# Altium PCB Scratch.PcbDoc
Units mil, origin at the board's own origin, x right, y up, seen from the top; angles counter-clockwise.
Board outline 5200 x 2700 mil, 2 copper layers (Top Layer, Bottom Layer), stack 61.756 mil thick; 63 components, 84 nets, 501 pads, 205 vias.
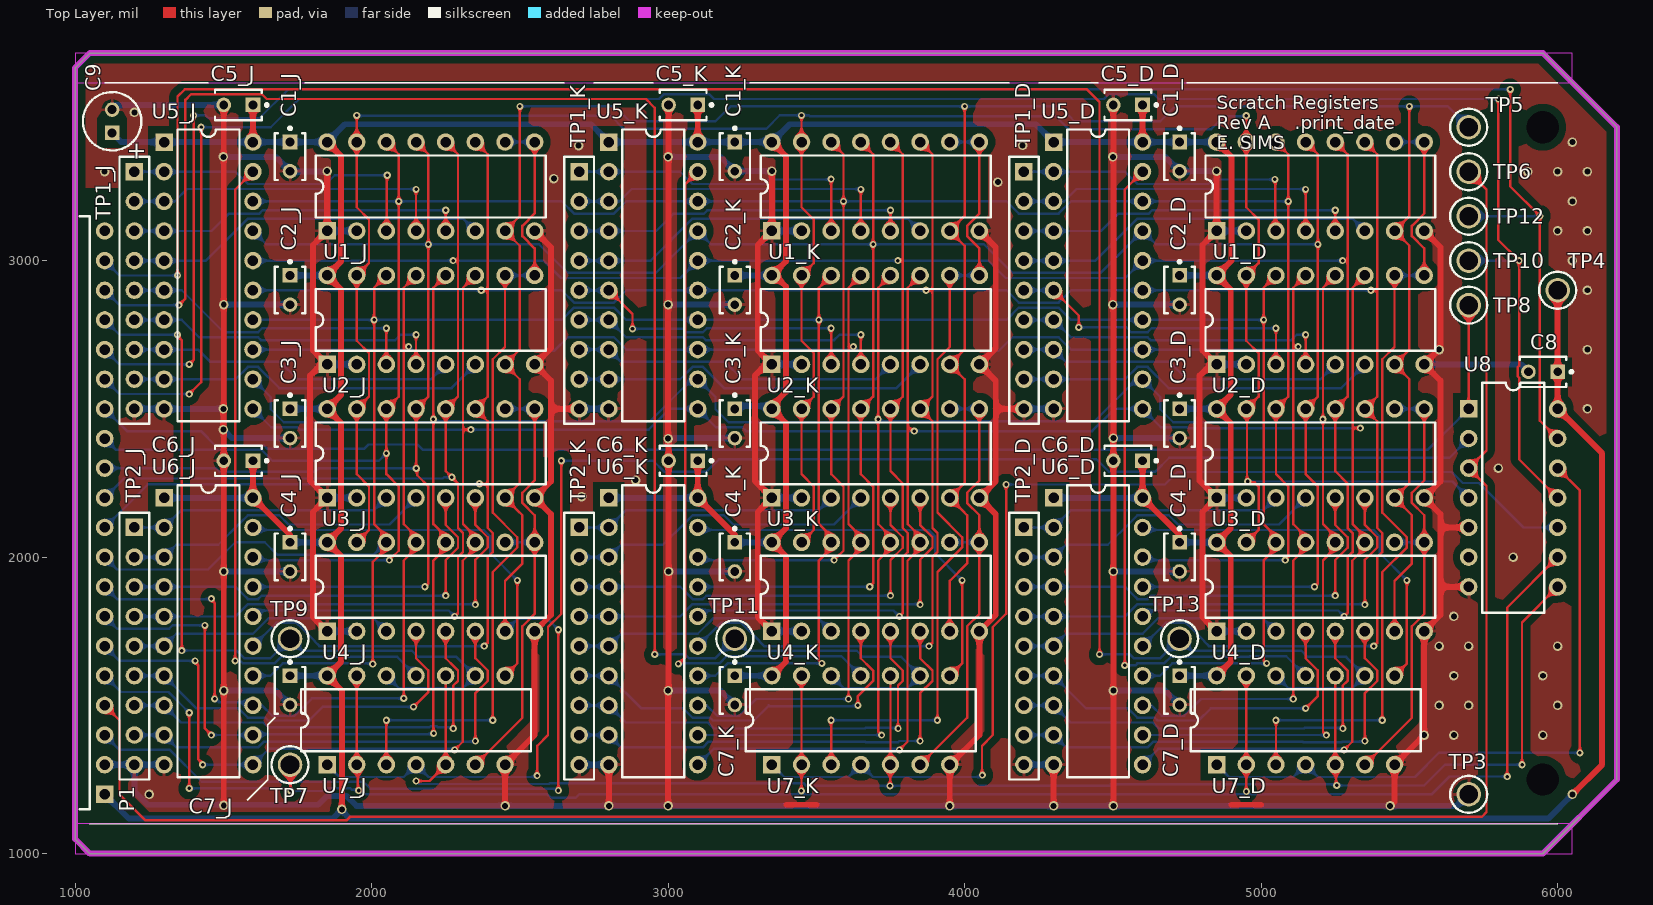
[diagram p0: Top Layer view]
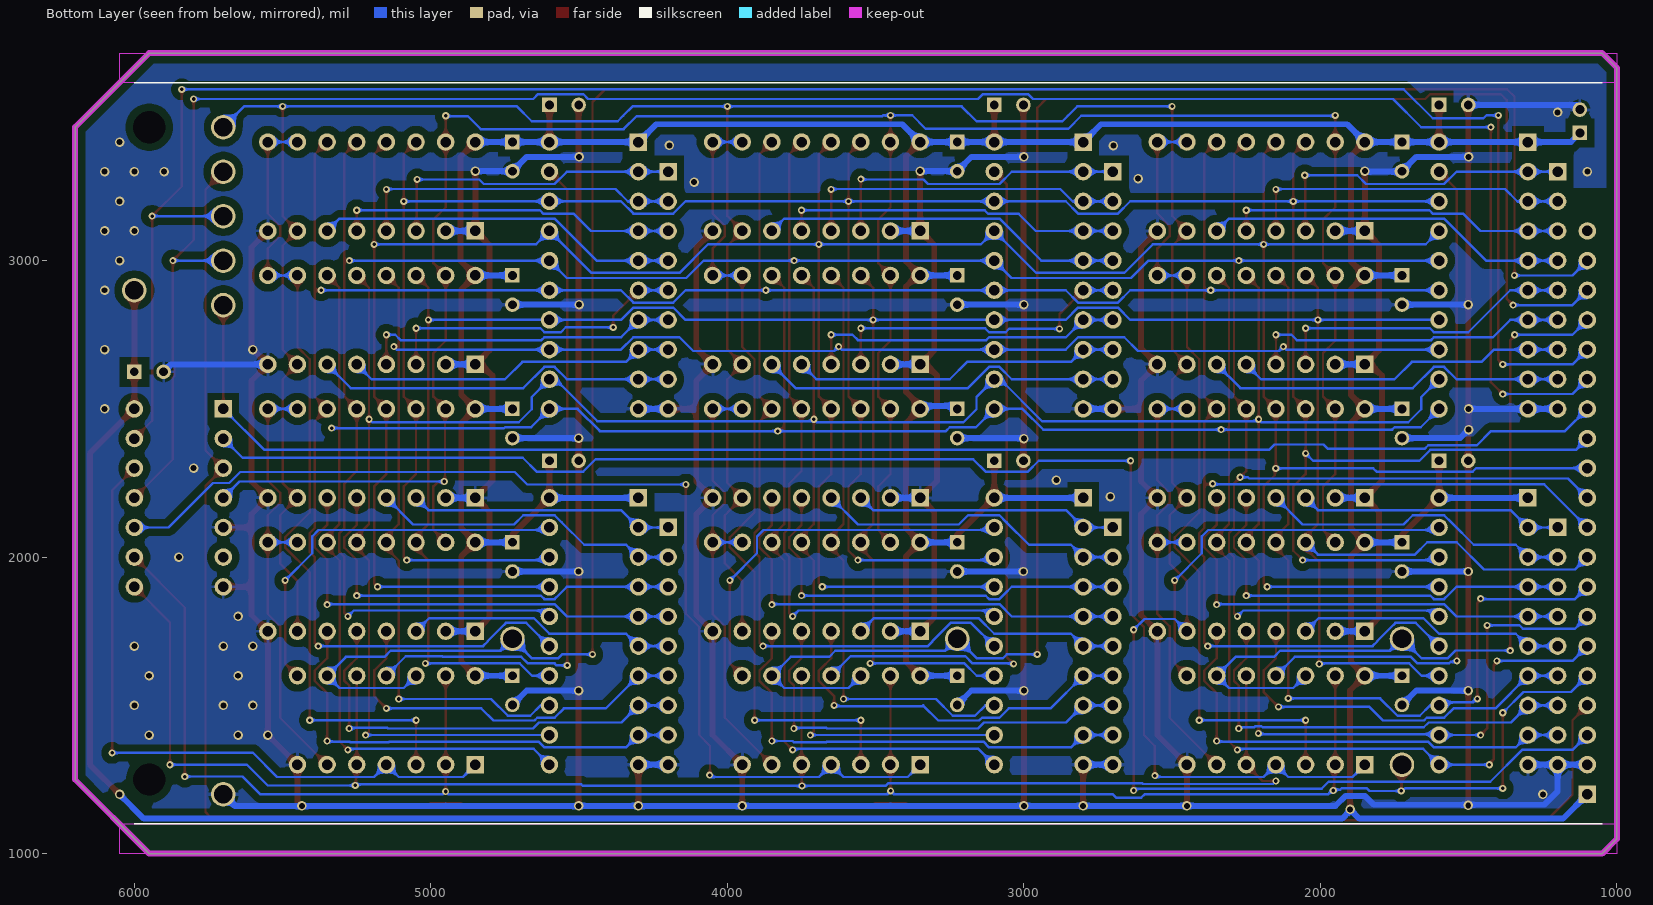
[diagram p1: Bottom Layer view, seen from below]

## Layer stack, top to bottom
Top Solder: solder mask 1, SM-001, Dk 4
Top Layer: signal copper 1.378
Dielectric 1: core 59, Core-043, Dk 4.3
Bottom Layer: signal copper 1.378
Bottom Solder: solder mask 1, SM-001, Dk 4

## Board outline
1000,1050 1050,1000 5950,1000 6200,1250 6200,3450 5950,3700 1050,3700 1000,3650

## Design rules (kind name [scope] priority, off if disabled: settings)
BoardOutlineClearance [not IsKeepOut] p1: gap=10 ignorepadtopadclearanceinfootprint=FALSE except(0: Arc-SplitContinuation Track-SplitContinuation SMDPad-SplitContinuation THPad-SplitContinuation Via-SplitContinuation Fill-SplitContinuation Poly-SplitContinuation Region-SplitContinuation Text-SplitContinuation)
Clearance Clearance_poly [InPoly] p1: gap=25 ignorepadtopadclearanceinfootprint=FALSE
Clearance [All] p2: gap=8 ignorepadtopadclearanceinfootprint=FALSE
HoleSize [All] p1: absolutevalues=TRUE maxlimit=120 minlimit=12 maxpercent=80.000 minpercent=20.000
PolygonConnect [All] p1: thpad.connectstyle=Relief thpad.reliefconductorwidth=10 thpad.reliefentries=4 thpad.polygonreliefangle="90 Angle" thpad.airgapwidth=10 smdpad.connectstyle=Relief smdpad.reliefconductorwidth=10 smdpad.reliefentries=4 smdpad.polygonreliefangle="90 Angle" smdpad.airgapwidth=10 via.connectstyle=Direct via.reliefconductorwidth=10 via.reliefentries=4 via.polygonreliefangle="90 Angle" via.airgapwidth=10
RoutingTopology [All] p1: topology=Daisy_Simple
RoutingVias "Schematic Routing Via Style" [InNetClass('PWR')] p1: holewidth=20 width=35 viastyle="Through Hole" minholewidth=20 minwidth=35 maxholewidth=20 maxwidth=50
RoutingVias [All] p2: holewidth=10 width=20 viastyle="Through Hole" minholewidth=10 minwidth=20 maxholewidth=10 maxwidth=20
SilkToSilkClearance [All] p1: silktosilkclearance=5
SilkToSolderMaskClearance [IsPad] p1: minsilkscreentomaskgap=8 clearancetoexposedcopper=TRUE
SolderMaskExpansion [All] p1: expansion=4 istentingtop=FALSE
UnRoutedNet [All] p1: checkbadconnections=TRUE
Width "Schematic Width Constraint" [InNetClass('PWR')] p1: maxlimit=50 minlimit=20 preferedwidth=20
Width [All] p2: maxlimit=8 minlimit=8 preferedwidth=8
25 further rules are at their usual default settings.

## Classes and differential pairs
net class PWR: GND VCC
net class BUS[0..7]: BUS0 BUS1 BUS2 BUS3 BUS4 BUS5 BUS6 BUS7
channel class Scratch_Register_16B: D J K
component class K: C1_K C2_K C3_K C4_K C5_K C6_K C7_K TP1_K TP2_K U1_K U2_K U3_K U4_K U5_K U6_K U7_K
component class D: C1_D C2_D C3_D C4_D C5_D C6_D C7_D TP1_D TP2_D U1_D U2_D U3_D U4_D U5_D U6_D U7_D
component class J: C1_J C2_J C3_J C4_J C5_J C6_J C7_J TP1_J TP2_J U1_J U2_J U3_J U4_J U5_J U6_J U7_J
component class Top: C8 C9 g P1 TP3 TP4 TP5 TP6 TP7 TP8 TP9 TP10 TP11 TP12 TP13 U8

## Components (designator, comment, footprint, x,y, rotation, side; value= is the part's Value field where it differs from the comment)
C1_D "K104K15X7RF5TL2" VISH-K104K15X7RF5TL2 4725,3350.79 r270 top locked (schematic designator C1)
C1_J "K104K15X7RF5TL2" VISH-K104K15X7RF5TL2 1725,3350.79 r270 top locked (schematic designator C1)
C1_K "K104K15X7RF5TL2" VISH-K104K15X7RF5TL2 3225,3350.79 r270 top locked (schematic designator C1)
C2_D "K104K15X7RF5TL2" VISH-K104K15X7RF5TL2 4725,2900.79 r270 top locked (schematic designator C2)
C2_J "K104K15X7RF5TL2" VISH-K104K15X7RF5TL2 1725,2900.79 r270 top locked (schematic designator C2)
C2_K "K104K15X7RF5TL2" VISH-K104K15X7RF5TL2 3225,2900.79 r270 top locked (schematic designator C2)
C3_D "K104K15X7RF5TL2" VISH-K104K15X7RF5TL2 4725,2450.79 r270 top locked (schematic designator C3)
C3_J "K104K15X7RF5TL2" VISH-K104K15X7RF5TL2 1725,2450.79 r270 top locked (schematic designator C3)
C3_K "K104K15X7RF5TL2" VISH-K104K15X7RF5TL2 3225,2450.79 r270 top locked (schematic designator C3)
C4_D "K104K15X7RF5TL2" VISH-K104K15X7RF5TL2 4725,2000.79 r270 top locked (schematic designator C4)
C4_J "K104K15X7RF5TL2" VISH-K104K15X7RF5TL2 1725,2000.79 r270 top locked (schematic designator C4)
C4_K "K104K15X7RF5TL2" VISH-K104K15X7RF5TL2 3225,2000.79 r270 top locked (schematic designator C4)
C5_D "K104K15X7RF5TL2" VISH-K104K15X7RF5TL2 4550.79,3525 r180 top locked (schematic designator C5)
C5_J "K104K15X7RF5TL2" VISH-K104K15X7RF5TL2 1550.79,3525 r180 top locked (schematic designator C5)
C5_K "K104K15X7RF5TL2" VISH-K104K15X7RF5TL2 3050.79,3525 r180 top locked (schematic designator C5)
C6_D "K104K15X7RF5TL2" VISH-K104K15X7RF5TL2 4550.79,2325 r180 top locked (schematic designator C6)
C6_J "K104K15X7RF5TL2" VISH-K104K15X7RF5TL2 1550.79,2325 r180 top locked (schematic designator C6)
C6_K "K104K15X7RF5TL2" VISH-K104K15X7RF5TL2 3050.79,2325 r180 top locked (schematic designator C6)
C7_D "K104K15X7RF5TL2" VISH-K104K15X7RF5TL2 4725,1550.79 r270 top locked (schematic designator C7)
C7_J "K104K15X7RF5TL2" VISH-K104K15X7RF5TL2 1725,1550.79 r270 top locked (schematic designator C7)
C7_K "K104K15X7RF5TL2" VISH-K104K15X7RF5TL2 3225,1550.79 r270 top locked (schematic designator C7)
C8 "K104K15X7RF5TL2" VISH-K104K15X7RF5TL2 5950.79,2625 r180 top locked
C9 "Cap Pol5" C5x7 1125,3470 r90 top locked value=10uF
P1 "Header 20H" HDR1X20H 1100,1200 r90 top
TP1_D "Header 9" HDR1X9 4200,3300 r270 top locked (schematic designator TP1)
TP1_J "Header 9" HDR1X9 1200,3300 r270 top locked (schematic designator TP1)
TP1_K "Header 9" HDR1X9 2700,3300 r270 top locked (schematic designator TP1)
TP2_D "Header 9" HDR1X9 4200,2100 r270 top locked (schematic designator TP2)
TP2_J "Header 9" HDR1X9 1200,2100 r270 top locked (schematic designator TP2)
TP2_K "Header 9" HDR1X9 2700,2100 r270 top locked (schematic designator TP2)
TP3 "GND" KSTN-5011_V 5700,1200 r0 top locked
TP4 "VCC" KSTN-5011_V 6000,2900 r0 top locked
TP5 "CLK" KSTN-5011_V 5700,3450 r0 top
TP6 "RST#" KSTN-5011_V 5700,3300 r0 top
TP7 "LM#" KSTN-5011_V 1725,1300 r0 top locked
TP8 "JI#" KSTN-5011_V 5700,2850 r0 top
TP9 "JO#" KSTN-5011_V 1725,1725 r0 top locked
TP10 "KI#" KSTN-5011_V 5700,3000 r0 top
TP11 "KO#" KSTN-5011_V 3225,1725 r0 top locked
TP12 "DI#" KSTN-5011_V 5700,3150 r0 top
TP13 "DO#" KSTN-5011_V 4725,1725 r0 top locked
U1_D "SN74LS173AN" N016D 5200,3250 r0 top locked (schematic designator U1)
U1_J "SN74LS173AN" N016D 2200,3250 r0 top locked (schematic designator U1)
U1_K "SN74LS173AN" N016D 3700,3250 r0 top locked (schematic designator U1)
U2_D "SN74LS173AN" N016D 5200,2800 r0 top locked (schematic designator U2)
U2_J "SN74LS173AN" N016D 2200,2800 r0 top locked (schematic designator U2)
U2_K "SN74LS173AN" N016D 3700,2800 r0 top locked (schematic designator U2)
U3_D "SN74LS173AN" N016D 5200,2350 r0 top locked (schematic designator U3)
U3_J "SN74LS173AN" N016D 2200,2350 r0 top locked (schematic designator U3)
U3_K "SN74LS173AN" N016D 3700,2350 r0 top locked (schematic designator U3)
U4_D "SN74LS173AN" N016D 5200,1900 r0 top locked (schematic designator U4)
U4_J "SN74LS173AN" N016D 2200,1900 r0 top locked (schematic designator U4)
U4_K "SN74LS173AN" N016D 3700,1900 r0 top locked (schematic designator U4)
U5_D "SN74LS245N" N020 4450,2950 r270 top (schematic designator U5)
U5_J "SN74LS245N" N020 1450,2950 r270 top locked (schematic designator U5)
U5_K "SN74LS245N" N020 2950,2950 r270 top locked (schematic designator U5)
U6_D "SN74LS245N" N020 4450,1750 r270 top locked (schematic designator U6)
U6_J "SN74LS245N" N020 1450,1750 r270 top locked (schematic designator U6)
U6_K "SN74LS245N" N020 2950,1750 r270 top locked (schematic designator U6)
U7_D "SN74LS00N" N014 5150,1450 r0 top locked (schematic designator U7)
U7_J "SN74LS00N" N014 2150,1450 r0 top locked (schematic designator U7)
U7_K "SN74LS00N" N014 3650,1450 r0 top locked (schematic designator U7)
U8 "SN74LS04N" N014 5850,2200 r270 top

## Footprints (in the part's own frame and the unit in brackets; to place one, negate y for a bottom-side part, rotate by r counter-clockwise, add the part's x,y. Pads: shape width x height; smd on the part's side, far side on the other; paste and mask are expansions set on the pad)
C5x7 [mm] "Capacitor; 2 Leads"
  rect 1.25x1.25 hole 0.75: 1(-1,0)
  round 1.25 hole 0.75: 2(1,0)
  silkscreen extent -2.5,-2.5 2.5,2.5, body extent -2.5,-2.5 2.5,2.5, height 7
HDR1X9 [mm] "Connector; Header; 9 Position"
  rect 1.5x1.5 hole 0.9: 1(0,0)
  round 1.5 hole 0.9: 2(2.54,0) 3(5.08,0) 4(7.62,0) 5(10.16,0) 6(12.7,0) 7(15.24,0) 8(17.78,0) 9(20.32,0)
  silkscreen extent -1.27,-1.27 21.59,1.27
HDR1X20H [mm] "Connector; Header; 20 Position; Right Angle"
  rect 1.5x1.5 hole 0.9: 1(0,0)
  round 1.5 hole 0.9: 2(2.54,0) 3(5.08,0) 4(7.62,0) 5(10.16,0) 6(12.7,0) 7(15.24,0) 8(17.78,0) 9(20.32,0) 10(22.86,0) 11(25.4,0) 12(27.94,0) 13(30.48,0) 14(33.02,0) 15(35.56,0) 16(38.1,0) 17(40.64,0) 18(43.18,0) 19(45.72,0) 20(48.26,0)
  silkscreen extent -1.27,1.27 49.53,2.16
KSTN-5011_V [mm] "Test Point, Dia 3.17mm"
  round 2.1 hole 1.6: 1(0,0)
  silkscreen extent -1.59,-1.58 1.59,1.58, body extent -1.59,-1.59 1.59,1.59, height 8.13
N014 [mm] "DIP; 14 Leads; Row Spacing 7.62 mm; Pitch 2.54 mm"
  rect 1.5x1.5 hole 0.9: 1(-7.62,-3.81)
  round 1.5 hole 0.9: 2(-5.08,-3.81) 3(-2.54,-3.81) 4(0,-3.81) 5(2.54,-3.81) 6(5.08,-3.81) 7(7.62,-3.81) 8(7.62,3.81) 9(5.08,3.81) 10(2.54,3.81) 11(0,3.81) 12(-2.54,3.81) 13(-5.08,3.81) 14(-7.62,3.81)
  silkscreen extent -9.85,-2.65 9.85,2.65, body extent -9.15,-5.08 9.15,5.12, height 7.88
N016D [mm] "DIP; 16 Leads; Row Spacing 7.62 mm; Pitch 2.54 mm"
  rect 1.5x1.5 hole 0.9: 1(-8.89,-3.81)
  round 1.5 hole 0.9: 2(-6.35,-3.81) 3(-3.81,-3.81) 4(-1.27,-3.81) 5(1.27,-3.81) 6(3.81,-3.81) 7(6.35,-3.81) 8(8.89,-3.81) 9(8.89,3.81) 10(6.35,3.81) 11(3.81,3.81) 12(1.27,3.81) 13(-1.27,3.81) 14(-3.81,3.81) 15(-6.35,3.81) 16(-8.89,3.81)
  silkscreen extent -9.85,-2.65 9.85,2.65, body extent -10.46,-5.08 10.46,5.12, height 7.88
N020 [mm] "DIP; 20 Leads; Row Spacing 7.62 mm; Pitch 2.54 mm"
  rect 1.5x1.5 hole 0.9: 1(-11.43,-3.81)
  round 1.5 hole 0.9: 2(-8.89,-3.81) 3(-6.35,-3.81) 4(-3.81,-3.81) 5(-1.27,-3.81) 6(1.27,-3.81) 7(3.81,-3.81) 8(6.35,-3.81) 9(8.89,-3.81) 10(11.43,-3.81) 11(11.43,3.81) 12(8.89,3.81) 13(6.35,3.81) 14(3.81,3.81) 15(1.27,3.81) 16(-1.27,3.81) 17(-3.81,3.81) 18(-6.35,3.81) 19(-8.89,3.81) 20(-11.43,3.81)
  silkscreen extent -12.5,-2.65 12.5,2.65, body extent -13.08,-5.08 13.08,5.12, height 7.88
VISH-K104K15X7RF5TL2 [mm] "THD, 2-Leads, Body 4x2.6mm"
  rect 1.25x1.25 hole 0.75: 1(-1.25,0)
  round 1.25 hole 0.75: 2(1.25,0)
  silkscreen extent -2.55,-1.3 2,1.3, body extent -2,-1.3 2,1.3, height 5.6

## Part data
C1_D C1_J C1_K C2_D C2_J C2_K C3_D C3_J C3_K C4_D C4_J C4_K C5_D C5_J C5_K C6_D C6_J C6_K C7_D C7_J C7_K C8: library part CMP-2000-06508-1, "Ceramic Capacitor, 100 nF, +/- 10%, 50 V, -55 to 125 degC, 2-Pin THD, RoHS, Tape and Reel", Capacitance=0.1µF, Manufacturer=Vishay, Operating Temperature=-55°C~125°C, Package / Case=Radial, Package Description="2-Pin Through Hole Device, Body 4 x 2.6 mm", Ratings=-, Standard Package=1, Temperature Coefficient=X7R, Tolerance=±10%, Voltage - Rated=50V, Applications=GeneralPurpose, Catalog Drawings=Mono-KapSide2-15_5.58Mono-KapSide1_15, Category=Capacitors, Datasheet URL=http://www.vishay.com/docs/45171/kseries.pdf, Datasheet Version=08/2013, Family=CeramicCapacitors, Features=-, Height - Seated (Max)="0.220\"(5.58mm)", Lead Spacing="0.098\"(2.50mm)", Lead Style=Straight, Manufacturer URL=http://www.vishay.com/, Mounting Technology=ThroughHole, Mounting Type=ThroughHole, Online Catalog=Mono-Kap™Series, Other Names=BC1084CT, Package Reference=K104K15X7RF5TL2, Packaging=CutTape(CT), Series=Mono-Kap™K, Size / Dimension="0.157\"Lx0.098\"W(4.00mmx2.50mm)", Thickness (Max)=-
C9: "Polarized Capacitor", LatestRevisionDate=17-Jul-2002, LatestRevisionNote="Re-released for DXP Platform.", PackageDescription="Polarized Capacitor; 2 Leads", PackageReference=POLAR0.8, Published=8-Jun-2000, Publisher="Altium Limited"
P1: "Header, 20-Pin, Right Angle", LatestRevisionDate=17-Jul-2002, LatestRevisionNote="Re-released for DXP Platform.", Publisher="Altium Limited", System=Connector
TP1_D TP1_J TP1_K TP2_D TP2_J TP2_K: "Header, 9-Pin", LatestRevisionDate=17-Jul-2002, LatestRevisionNote="Re-released for DXP Platform.", Publisher="Altium Limited"
TP3 TP4 TP5 TP6 TP7 TP8 TP9 TP10 TP11 TP12 TP13: library part TP
U1_D U1_J U1_K U2_D U2_J U2_K U3_D U3_J U3_K U4_D U4_J U4_K: "4-Bit D-Type Register with 3-State Outputs", Code_JEDEC=MS-001-BB, ComponentLink1Description="Manufacturer Link", ComponentLink1URL=http://www.ti.com/, ComponentLink2Description=Datasheet, ComponentLink2URL=http://www-s.ti.com/sc/ds/sn74ls173a.pdf, DatasheetVersion=Mar-1988, LatestRevisionDate=04-Mar-2005, LatestRevisionNote="Stylized 3D Model Added.", PackageDescription="DIP; 16 Leads; Row Spacing 7.62 mm; Pitch 2.54 mm", PackageReference=N016D, PackageVersion=Oct-1995, Published=8-Jun-2000, Publisher="Altium Limited"
U5_D U5_J U5_K U6_D U6_J U6_K: "Octal Bus Transceiver with 3-State Outputs", ComponentLink1Description="Manufacturer Link", ComponentLink1URL=http://www.ti.com/, ComponentLink2Description=Datasheet, ComponentLink2URL=http://www-s.ti.com/sc/ds/sn74ls245.pdf, DatasheetVersion=Mar-1988, LatestRevisionDate=04-Mar-2005, LatestRevisionNote="Stylized 3D Model Added.", PackageDescription="DIP; 20 Leads; Row Spacing 7.62 mm; Pitch 2.54 mm", PackageReference=N020, PackageVersion=Oct-1995, Published=8-Jun-2000, Publisher="Altium Limited"
U7_D U7_J U7_K: "Quadruple 2-Input Positive-NAND Gate", ComponentLink1Description="Manufacturer Link", ComponentLink1URL=http://www.ti.com/, ComponentLink2Description=Datasheet, ComponentLink2URL=http://www-s.ti.com/sc/ds/sn74ls00.pdf, DatasheetVersion=Mar-1988, LatestRevisionDate=04-Mar-2005, LatestRevisionNote="Stylized 3D Model Added.", PackageDescription="DIP; 14 Leads; Row Spacing 7.62 mm; Pitch 2.54 mm", PackageReference=N014, PackageVersion=Oct-1995, Published=8-Jun-2000, Publisher="Altium Limited"
U8: "Hex Inverter", ComponentLink1Description="Manufacturer Link", ComponentLink1URL=http://www.ti.com/, ComponentLink2Description=Datasheet, ComponentLink2URL=http://www-s.ti.com/sc/ds/sn74ls04.pdf, DatasheetVersion=Mar-1988, LatestRevisionDate=04-Mar-2005, LatestRevisionNote="Stylized 3D Model Added.", PackageDescription="DIP; 14 Leads; Row Spacing 7.62 mm; Pitch 2.54 mm", PackageReference=N014, PackageVersion=Oct-1995, Published=8-Jun-2000, Publisher="Altium Limited"

## Free pads (board coordinates)
  round 0 hole 109: ""(5950,1250) ""(5950,3450)

## Via types
v1: diameter 24, hole 12, Top Layer to Bottom Layer, tented both sides, 141 vias
v2: diameter 32, hole 20, Top Layer to Bottom Layer, tented both sides, 64 vias

## Nets (pads, with @x,y where several pads share a name; then routed paths per layer and width w, separated by ;. In a path a pad name is that pad's centre, name@x,y a point inside that pad or via, vN(x,y) a via of type N, cw(c..) or ccw(c..) an arc to the next point about the centre after c; other vN are vias at no path point)
BUS0: P1.13 U1_D.14 U1_J.14 U1_K.14 U3_D.14 U3_J.14 U3_K.14 U5_D.18 U5_J.18 U5_K.18 U6_D.18 U6_J.18 U6_K.18 | length 10380.8
  Top Layer w8: U1_J.14 2091.53,3358.47 v1(2091.53,3200) 2091.53,2541.53 U3_J.14 v1(2050,2350) 2050,2280 2091.53,2238.47 2091.53,2021.53 2070,2000 v1(2060,1990) ; U1_K.14 3591.53,3358.47 v1(3591.53,3200) 3591.53,2541.53 U3_K.14 3550,2280 3591.53,2238.47 3591.53,2021.53 3570,2000 v1(3560,1990) ; U1_D.14 5091.53,3358.47 v1(5091.53,3200) 5091.53,2541.53 U3_D.14 5050,2280 5091.53,2238.47 5091.53,2000 v1(5081.53,1990)
  Bottom Layer w8: P1.13 1138.39,2361.61 1629.58,2361.61 1666.18,2325 2025,2325 v1(2050,2350) ; U6_J.18 1610,1990 v1(2060,1990) ; U5_J.18 v1(2091.53,3200) 2641.27,3200 2682.8,3158.47 2717.2,3158.47 2817.2,3158.47 2858.73,3200 U5_K.18 v1(3591.53,3200) 4141.27,3200 4182.8,3158.47 4217.2,3158.47 4317.2,3158.47 4358.73,3200 U5_D.18 v1(5091.53,3200) ; U6_K.18 3110,1990 v1(3560,1990) ; U6_D.18 4610,1990 v1(5081.53,1990)
BUS1: P1.12 U1_D.13 U1_J.13 U1_K.13 U3_D.13 U3_J.13 U3_K.13 U5_D.17 U5_J.17 U5_K.17 U6_D.17 U6_J.17 U6_K.17 | length 11313.9
  Top Layer w8: U1_J.13 2191.53,3358.47 v1(2191.53,3055) 2191.53,2541.53 U3_J.13 2150.38,2499.62 2150.38,2299.62 v1(2150.77,2299.23) 2153.83,2296.17 2153.83,2276.17 2191.53,2238.47 2191.53,1911.53 v1(2180,1900) ; U1_K.13 3691.53,3358.47 v1(3691.53,3055) 3691.53,2541.53 U3_K.13 3650,2280 3691.53,2238.47 3691.53,1911.53 v1(3680,1900) ; U1_D.13 5191.53,3358.47 v1(5191.53,3055) 5191.53,2541.53 U3_D.13 5150,2280 5191.53,2238.47 5191.53,1911.53 v1(5180,1900)
  Bottom Layer w8: P1.12 1474.8,2300 1486.41,2288.39 1811,2288.39 1821.84,2299.23 v1(2150.77,2299.23) ; U6_J.17 v1(2180,1900) ; U5_J.17 1645,3055 v1(2191.53,3055) 2565,3055 2661.53,2958.47 2958.47,2958.47 U5_K.17 3145,3055 v1(3691.53,3055) 4065,3055 4161.53,2958.47 4458.47,2958.47 U5_D.17 4645,3055 v1(5191.53,3055) ; U6_K.17 v1(3680,1900) ; U6_D.17 v1(5180,1900)
BUS2: P1.11 U1_D.12 U1_J.12 U1_K.12 U3_D.12 U3_J.12 U3_K.12 U5_D.16 U5_J.16 U5_K.16 U6_D.16 U6_J.16 U6_K.16 | length 12121.9
  Top Layer w8: U1_J.12 2291.53,3358.47 2291.53,3000 ; v1(2275,3000) 2291.53,3000 ; v1(2280,1800) 2291.53,1811.53 2291.53,2000 2308.47,2016.94 2308.47,2081.53 2291.53,2098.47 2291.53,2248.47 2250,2290 U3_J.12 2291.53,2541.53 2291.53,3000 ; U1_K.12 3791.53,3358.47 3791.53,3000 ; v1(3775,3000) 3791.53,3000 ; v1(3780,1800) 3791.53,1811.53 3791.53,2000 3808.47,2016.94 3808.47,2081.53 3791.53,2098.47 3791.53,2248.47 3750,2290 U3_K.12 3791.53,2541.53 3791.53,3000 ; U1_D.12 5291.53,3358.47 5291.53,3000 ; v1(5275,3000) 5291.53,3000 ; v1(5280,1800) 5291.53,1811.53 5291.53,2000 5308.47,2016.94 5308.47,2081.53 5291.53,2098.47 5291.53,2248.47 5250,2290 U3_D.12 5291.53,2541.53 5291.53,3000
  Bottom Layer w8: P1.11 1165,2265 2240,2265 2244.24,2269.24 v1(2270.76,2269.24) ; U6_J.16 1620,1820 2260,1820 v1(2280,1800) ; U5_J.16 v1(2275,3000) 2580,3000 2638.47,2941.53 2717.2,2941.53 3041.53,2941.53 U5_K.16 v1(3775,3000) 4080,3000 4138.47,2941.53 4217.2,2941.53 4541.53,2941.53 U5_D.16 v1(5275,3000) ; U6_K.16 3120,1820 3760,1820 v1(3780,1800) ; U6_D.16 4620,1820 5260,1820 v1(5280,1800)
BUS3: P1.10 U1_D.11 U1_J.11 U1_K.11 U3_D.11 U3_J.11 U3_K.11 U5_D.15 U5_J.15 U5_K.15 U6_D.15 U6_J.15 U6_K.15 | length 13105.4
  Top Layer w8: U1_J.11 2391.53,3358.47 2391.53,2900 ; v1(2363.43,2247.67) 2365.43,2245.67 2391.53,2245.67 ; v1(2370,2900) 2391.53,2900 ; v1(2380,1700) 2391.53,1711.53 2391.53,2000 2408.47,2016.94 2408.47,2081.53 2391.53,2098.47 2391.53,2245.67 ; U1_K.11 3891.53,3358.47 3891.53,2900 ; v1(3870,2900) 3891.53,2900 ; v1(3880,1700) 3891.53,1711.53 3891.53,2000 3908.47,2016.94 3908.47,2081.53 3891.53,2098.47 3891.53,2458.47 U3_K.11 3891.53,2541.53 3891.53,2900 ; U1_D.11 5391.53,3358.47 5391.53,2900 ; v1(5370,2900) 5391.53,2900 ; v1(5380,1700) 5391.53,1711.53 5391.53,2000 5408.47,2016.94 5408.47,2081.53 5391.53,2098.47 5391.53,2458.47 U3_D.11 5391.53,2541.53 5391.53,2900 ; 2391.53,2245.67 2391.53,2458.47 U3_J.11 2391.53,2541.53 2391.53,2900
  Bottom Layer w8: P1.10 1245.24,2245.24 2361,2245.24 v1(2363.43,2247.67) ; U6_J.15 1678.34,1778.34 1747.09,1778.34 1762.72,1762.72 1808.47,1716.96 1808.47,1715.5 1823.97,1700 v1(2380,1700) ; U5_J.15 v1(2370,2900) 2641.27,2900 2682.8,2858.47 2717.2,2858.47 2817.2,2858.47 2858.73,2900 U5_K.15 v1(3870,2900) 4141.27,2900 4182.8,2858.47 4217.2,2858.47 4317.2,2858.47 4358.73,2900 U5_D.15 v1(5370,2900) ; U6_K.15 3178.34,1778.34 3247.09,1778.34 3262.72,1762.72 3308.47,1716.96 3308.47,1715.5 3323.97,1700 v1(3880,1700) ; U6_D.15 4678.34,1778.34 4747.09,1778.34 4762.72,1762.72 4808.47,1716.96 4808.47,1715.5 4823.97,1700 v1(5380,1700)
BUS4: P1.9 U2_D.14 U2_J.14 U2_K.14 U4_D.14 U4_J.14 U4_K.14 U5_D.14 U5_J.14 U5_K.14 U6_D.14 U6_J.14 U6_K.14 | length 9904.1
  Top Layer w8: v1(2004,1639.53) 2004,1984 2050,2030 U4_J.14 2050,2070 2008.47,2111.53 v1(2008.47,2800) 2008.47,2908.47 U2_J.14 ; v1(3518.47,1641.53) 3508.47,1651.53 3508.47,1988.47 3550,2030 U4_K.14 3550,2070 3508.47,2111.53 v1(3508.47,2800) 3508.47,2908.47 U2_K.14 ; v1(5018.47,1641.53) 5008.47,1651.53 5008.47,1988.47 5050,2030 U4_D.14 5050,2070 5008.47,2111.53 v1(5008.47,2800) 5008.47,2908.47 U2_D.14
  Bottom Layer w8: P1.9 1141.53,1958.47 1448.47,1958.47 1540,2050 1640,2050 1681.53,2008.47 2008.47,2008.47 U4_J.14 ; U6_J.14 1658.82,1600 1700.34,1641.53 2002,1641.53 v1(2004,1639.53) ; U5_J.14 v1(2008.47,2800) 2641.27,2800 2682.8,2841.53 2817.2,2841.53 2858.73,2800 U5_K.14 v1(3508.47,2800) 4141.27,2800 4182.8,2841.53 4317.2,2841.53 4358.73,2800 U5_D.14 v1(5008.47,2800) v1@5010,2800 ; U6_K.14 3158.82,1600 3200.34,1641.53 v1(3518.47,1641.53) ; U6_D.14 4658.82,1600 4700.34,1641.53 v1(5018.47,1641.53)
BUS5: P1.8 U2_D.13 U2_J.13 U2_K.13 U4_D.13 U4_J.13 U4_K.13 U5_D.13 U5_J.13 U5_K.13 U6_D.13 U6_J.13 U6_K.13 | length 10609.4
  Top Layer w8: v1(1460,1860) 1460,1855.67 1470.66,1845.01 v1(1470.66,1522) ; v1(2108.47,1523.53) 2108.47,1988.47 2150,2030 U4_J.13 2150,2070 2108.47,2111.53 2108.47,2710 ; v1(2125,2710) 2108.47,2710 ; U2_J.13 2108.47,2908.47 2108.47,2710 ; v1(3608.47,1521.53) 3608.47,1988.47 3650,2030 U4_K.13 3650,2070 3608.47,2111.53 3608.47,2710 ; v1(3625,2710) 3608.47,2710 ; U2_K.13 3608.47,2908.47 3608.47,2710 ; v1(5108.47,1521.53) 5108.47,1988.47 5150,2030 U4_D.13 5150,2070 5108.47,2111.53 5108.47,2710 ; v1(5125,2710) 5108.47,2710 ; U2_D.13 5108.47,2908.47 5108.47,2710
  Bottom Layer w8: P1.8 1141.53,1858.47 1458.47,1858.47 v1(1460,1860) ; v1(1470.66,1522) 1474.99,1522 1486.99,1510 1590,1510 U6_J.13 1630,1500 1665.03,1464.97 1740.16,1464.97 1798.72,1523.53 v1(2108.47,1523.53) ; U5_J.13 2115,2700 v1(2125,2710) 2140,2695 2615,2695 2661.53,2741.53 2817.2,2741.53 2858.73,2700 U5_K.13 3615,2700 v1(3625,2710) 3640,2695 4115,2695 4161.53,2741.53 4317.2,2741.53 4358.73,2700 U5_D.13 5115,2700 v1(5125,2710) ; U6_K.13 3130,1500 3165.03,1464.97 3240.16,1464.97 3296.72,1521.53 v1(3608.47,1521.53) ; U6_D.13 4630,1500 4665.03,1464.97 4740.16,1464.97 4796.72,1521.53 v1(5108.47,1521.53)
BUS6: P1.7 U2_D.12 U2_J.12 U2_K.12 U4_D.12 U4_J.12 U4_K.12 U5_D.12 U5_J.12 U5_K.12 U6_D.12 U6_J.12 U6_K.12 | length 11539.5
  Top Layer w8: v1(1438,1770) 1440,1770 1438,1768 1438,1422 v1(1460,1400) ; v1(2209.24,1405.76) 2208.47,1406.53 2208.47,1988.47 2250,2030 U4_J.12 2250,2070 2208.47,2111.53 v1(2208.47,2465) 2208.47,2908.47 U2_J.12 ; v1(3720,1400) 3708.47,1411.53 3708.47,1988.47 3750,2030 U4_K.12 3750,2070 3708.47,2111.53 v1(3708.47,2465) 3708.47,2908.47 U2_K.12 ; v1(5220,1400) 5208.47,1411.53 5208.47,1988.47 5250,2030 U4_D.12 5250,2070 5208.47,2111.53 v1(5208.47,2465) 5208.47,2908.47 U2_D.12
  Bottom Layer w8: P1.7 1141.53,1758.47 1217.2,1758.47 1317.2,1758.47 1328.73,1770 v1(1438,1770) ; v1(1460,1400) U6_J.12 1602.88,1402.88 2206.35,1402.88 v1(2209.24,1405.76) ; U5_J.12 1660,2540 1660,2498.82 1703.82,2455 2200,2455 2208.47,2463.47 v1(2208.47,2465) 2215,2458.47 2938.47,2458.47 3080,2600 U5_K.12 3160,2540 3160,2498.82 3203.82,2455 3698.47,2455 v1(3708.47,2465) 3715,2458.47 4438.47,2458.47 4580,2600 U5_D.12 4660,2540 4660,2498.82 4703.82,2455 5198.47,2455 v1(5208.47,2465) ; U6_K.12 v1(3720,1400) ; U6_D.12 v1(5220,1400)
BUS7: P1.6 U2_D.11 U2_J.11 U2_K.11 U4_D.11 U4_J.11 U4_K.11 U5_D.11 U5_J.11 U5_K.11 U6_D.11 U6_J.11 U6_K.11 | length 11917.5
  Top Layer w8: v1(1405,1650) 1405,1645.67 1415.62,1635.05 1415.62,1318.7 1430,1304.33 v1(1430,1300) ; v1(2280,1350) 2307.53,1377.53 2307.53,1987.53 2350,2030 U4_J.11 2350,2070 2308.47,2111.53 2308.47,2430 ; v1(2335,2430) 2308.47,2430 ; U2_J.11 2308.47,2908.47 2308.47,2430 ; v1(3780,1350) 3807.53,1377.53 3807.53,1987.53 3850,2030 U4_K.11 3850,2070 3808.47,2111.53 3808.47,2435 ; v1(3830,2425) 3825.67,2425 3815.67,2435 3808.47,2435 ; U2_K.11 3808.47,2908.47 3808.47,2435 ; v1(5280,1350) 5307.53,1377.53 5307.53,1987.53 5350,2030 U4_D.11 5350,2070 5308.47,2111.53 5308.47,2435 ; v1(5335,2435) 5308.47,2435 ; U2_D.11 5308.47,2908.47 5308.47,2435
  Bottom Layer w8: P1.6 1150,1650 v1(1405,1650) ; v1(1430,1300) U6_J.11 1653.34,1353.34 2276.66,1353.34 v1(2280,1350) ; U5_J.11 1661.82,2438.18 1750,2438.18 1758.18,2430 v1(2335,2430) 2935,2430 3005,2500 U5_K.11 3161.82,2438.18 3250,2438.18 3263.18,2425 v1(3830,2425) 4430,2425 4505,2500 U5_D.11 4661.82,2438.18 4750,2438.18 4753.18,2435 v1(5335,2435) ; U6_K.11 3153.34,1353.34 3776.66,1353.34 v1(3780,1350) ; U6_D.11 4653.34,1353.34 5276.66,1353.34 v1(5280,1350)